# Altium PCB PMSM_Motor_Controller_v2_PCB.PcbDoc (part 2 of 3)
Units mm, origin at the board's own origin, x right, y up, seen from the top; angles counter-clockwise.
Board outline 70 x 110 mm, 4 copper layers (Top Layer, Int1 (GND), Int2 (PWR), Bottom Layer), stack 1.586 mm thick; 291 components, 217 nets, 968 pads, 697 vias.
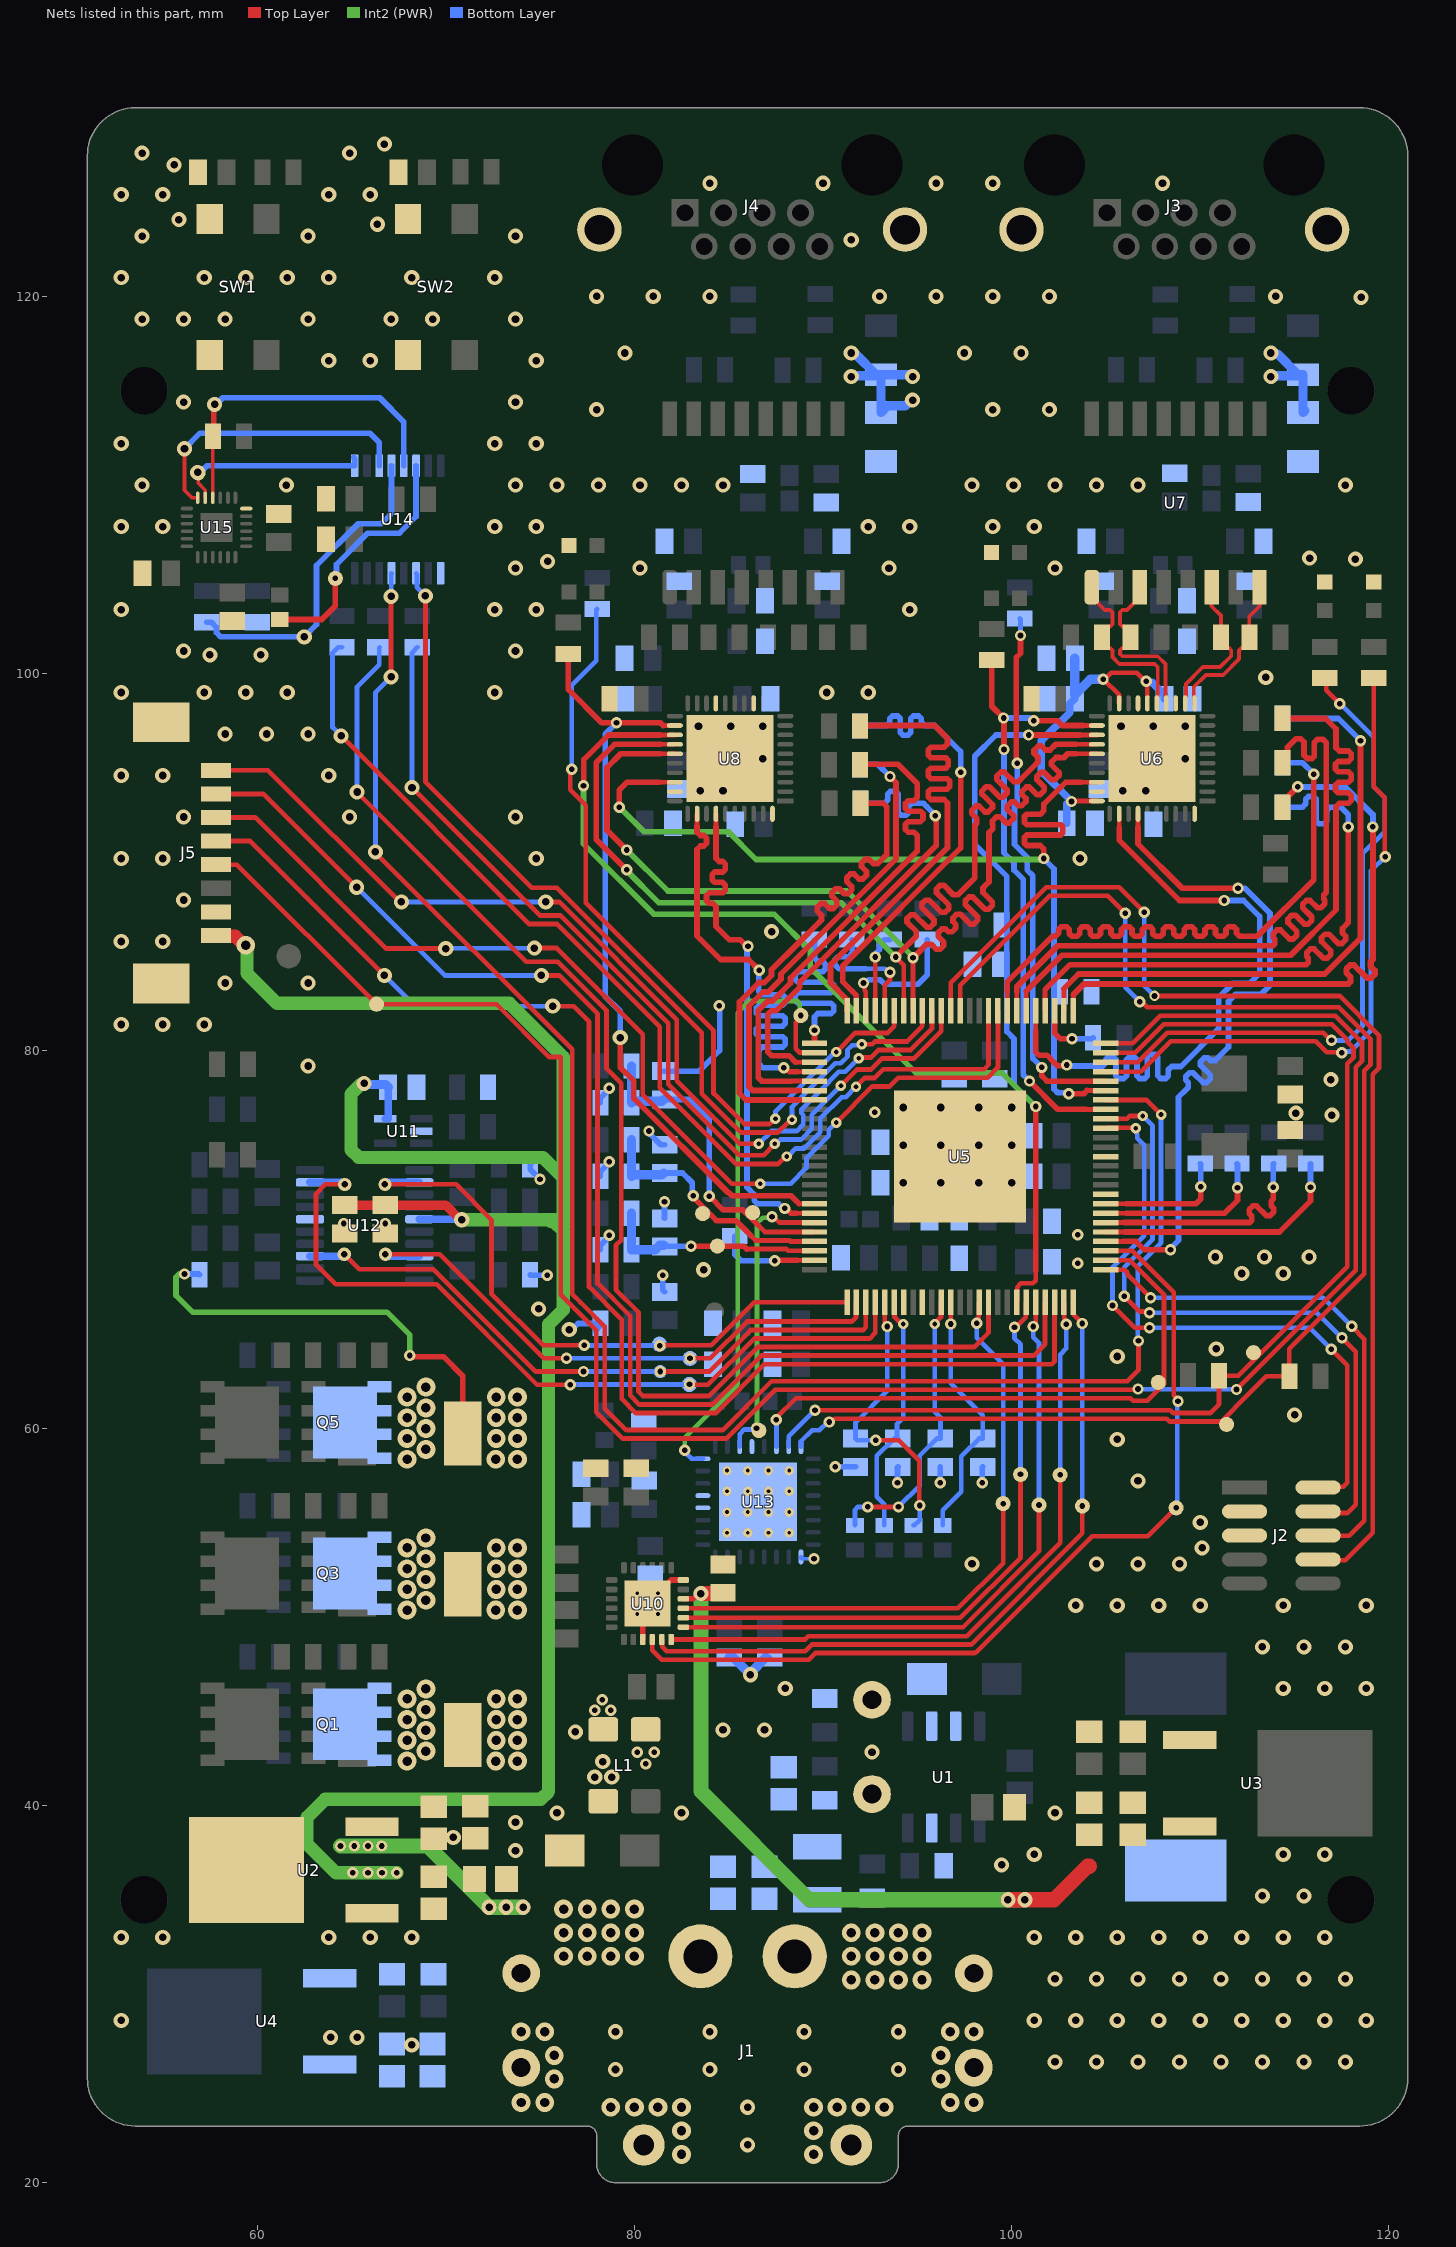
[diagram p4: the nets of this part, all layers, seen from the top]

## Via types
v1: diameter 0.8, hole 0.4, Top Layer to Bottom Layer, tented both sides, 322 vias
v2: diameter 0.6, hole 0.3, Top Layer to Bottom Layer, tented both sides, 210 vias
v3: diameter 1, hole 0.5, Top Layer to Bottom Layer, tented both sides, 108 vias
v4: diameter 0.55, hole 0.25, Top Layer to Bottom Layer, tented both sides, 23 vias
v5: diameter 0.5, hole 0.2, Top Layer to Bottom Layer, 20 vias
v6: diameter 0.7, hole 0.35, Top Layer to Bottom Layer, tented both sides, 10 vias
v7: diameter 3, hole 1.5, Top Layer to Bottom Layer, 3 vias
v8: diameter 0.55, hole 0.3, Top Layer to Bottom Layer, tented both sides, 1 vias

## Nets (pads, with @x,y where several pads share a name; then routed paths per layer and width w, separated by ;. In a path a pad name is that pad's centre, name@x,y a point inside that pad or via, vN(x,y) a via of type N, cw(c..) or ccw(c..) an arc to the next point about the centre after c; other vN are vias at no path point) (continued)
5V: C12.2 C13.2 C79.2 C80.2 C81.2 J5.8 U2.2 U11.5 U12.5 | length 115.4
  Top Layer w0.5: C80.2@64.65,71.825 C81.2@66.8,71.825 69.999,71.825 70.774,71.05 v1(70.85,71.05)
  Top Layer w0.7: J5.8@57.825,86.125 57.875,86.075 58.844,86.075 59.319,85.6 v3(59.4,85.6)
  Int2 (PWR) w0.7: v3(59.4,85.6) 59.457,85.543 59.457,84.118 61.05,82.525 73.375,82.525 76.225,79.675 76.225,73.275 ; v1(65.675,78.275) 65.648,78.275 65.623,78.25 65.525,78.25 64.975,77.7 64.975,74.76 65.385,74.35 75.15,74.35 76.225,73.275 ; v2(67.4,36.425) v2(66.625,36.425) 64.175,36.425 62.65,37.95 62.65,39.375 63.6,40.325 75.04,40.325 75.45,40.735 75.45,65.506 76.225,66.282 76.225,70.452 75.727,70.95 75.55,70.95 75.45,71.05 ; v1(70.85,71.05) 75.45,71.05 ; 75.45,71.05 75.815,71.05 76.225,70.64 76.225,73.275
  Bottom Layer w0.4: U11.5@66.8,76.4 66.95,76.4 C79.2@66.95,78.075 ; U12.5@68.6,71.075 v1@70.825,71.075
  Bottom Layer w0.5: v1(65.675,78.275) 65.732,78.218 66.807,78.218 C79.2@66.95,78.075
  other v2: 65.075,36.425 65.875,36.425
10V: C7.2 C8.2 C9.2 C10.2 C11.2 C14.2 C15.2 C18.2 C19.2 C71.1 L2.2 R3.2 U2.3 U3.3 U4.3 U10.4 | length 48.2
  Top Layer w0.3: U10.4@82.6,50.95 83.115,50.95 83.39,51.225 v1(83.525,51.225)
  Top Layer w0.8: v1(83.525,51.225) 84.425,51.225 84.5,51.3 C71.1@84.55,51.25 ; v1(99.8,35) v1(100.7,35) 102.25,35 104.025,36.775 104.125,36.775
  Int2 (PWR) w0.8: v2(64.425,37.85) v2(65.15,37.85) v2(65.875,37.85) v2(66.6,37.85) 69.05,37.85 v1(72.3,34.6) v1(73.2,34.6) v1(74.1,34.6) ; v1(83.525,51.225) 83.525,40.75 89.275,35 v1(99.8,35) v1(100.7,35)
+48V: C3.2 C4.2 L1.2 R1.2 U1.7
  other v2: 80.6,42.2 80.15,42.825 81.05,42.825
+48V_CON: C1.2 C2.2 D1.1 J1.1 Q1.D Q3.D Q5.D
  other v3: 91.5,30.75 92.75,30.75 94,30.75 95.25,30.75 76.25,32 77.5,32 78.75,32 80,32 91.5,32 92.75,32 94,32 95.25,32 76.25,33.25 77.5,33.25 78.75,33.25 80,33.25 91.5,33.25 92.75,33.25 94,33.25 95.25,33.25 76.25,34.5 77.5,34.5 78.75,34.5 80,34.5 67.95,42.35 68.95,42.875 67.95,43.45 68.95,43.975 67.95,44.55 68.95,45.075 67.95,45.65 68.95,46.175 67.95,50.35 68.95,50.875 67.95,51.45 68.95,51.975 67.95,52.55 68.95,53.075 67.95,53.65 68.95,54.175 67.95,58.35 68.95,58.875 67.95,59.45 68.95,59.975 67.95,60.55 68.95,61.075 67.95,61.65 68.95,62.175
BEMF_A: C75.2 R69.1 R70.1 TP7.1 U5.23 | length 13.2
  Top Layer w0.25: 85.95,69.5 88.046,69.5 88.146,69.4 U5.23@89.55,69.4
  Top Layer w0.3: v2(83,69.65) TP7.1@84.4,69.65 ; 85.95,69.5 85.8,69.65 ; TP7.1@84.4,69.65 85.8,69.65 ; TP7.1@84.4,69.65 85.8,69.65
  Bottom Layer w0.3: C75.2@81.6,69.625 81.625,69.65 v2(83,69.65)
  Bottom Layer w0.5: R69.1@79.85,71.4 R70.1@79.85,69.45 81.1,69.45 81.35,69.7 C75.2@81.55,69.7
BEMF_B: C76.2 R71.1 R72.1 TP8.1 U5.22 | length 13.6
  Top Layer w0.25: 86.175,70.2 86.425,69.95 88.232,69.95 88.282,69.9 U5.22@89.55,69.9
  Top Layer w0.3: v2@83.075,72.325 83.075,72.281 84.356,71 85.375,71 86.175,70.2
  Bottom Layer w0.3: C76.2@81.6,73.525 82.55,73.525 83.068,73.007 83.068,72.382 v2(83.125,72.325)
  Bottom Layer w0.5: R71.1@79.85,75.3 R72.1@79.85,73.35 79.937,73.438 81.462,73.438 C76.2@81.55,73.525
BEMF_C: C77.2 R73.1 R74.1 TP9.1 U5.21 | length 17
  Top Layer w0.25: 86.6,70.725 86.925,70.4 U5.21@89.55,70.4
  Top Layer w0.3: v2(83.975,72.3) 84.7,71.575 85.75,71.575 86.175,71.15 86.6,70.725
  Bottom Layer w0.3: C77.2@81.55,77.425 82.925,77.425 83.975,76.375 v2(83.975,72.3)
  Bottom Layer w0.5: R73.1@79.85,79.2 R74.1@79.85,77.25 79.937,77.338 81.462,77.338 C77.2@81.55,77.425
CURR_SENSE_OUT1: TP11.1 U5.26 U12.2 | length 33.2
  Top Layer w0.25: v6(66.775,72.925) 70.55,72.925 72.425,71.05 72.425,67.136 75.161,64.4 v2(77.35,64.4) ; v2(81.35,64.375) 81.375,64.4 84.075,64.4 86.35,66.675 U5.26@91.262,66.675
  Bottom Layer w0.25: v2@77.417,64.467 v2(77.35,64.4) 77.362,64.388 81.337,64.388 v2(81.35,64.375)
  Bottom Layer w0.4: v6(66.775,72.925) 66.856,72.925 66.956,73.025 U12.2@68.6,73.025
CURR_SENSE_OUT2: TP12.1 U5.27 U12.8 | length 30.8
  Top Layer w0.25: v6(66.8,69.225) 69.675,69.225 75.2,63.7 v2(76.4,63.7) ; v2(82.95,63.7) 84.025,63.7 85.975,65.65 91.53,65.65 91.755,65.875 91.755,66.655 U5.27@91.775,66.675
  Bottom Layer w0.25: v2(76.4,63.7) v2(82.95,63.7)
  Bottom Layer w0.4: v6(66.8,69.225) 66.881,69.225 66.981,69.125 U12.8@68.6,69.125
CURR_SENSE_OUT3: TP13.1 U5.28 U12.13 | length 34.4
  Top Layer w0.25: v6(64.625,69.225) 65.425,68.425 69.35,68.425 74.775,63 v2(77.3,63) ; v2(81.375,63) 83.961,63 86.161,65.2 92.129,65.2 92.275,65.346 U5.28@92.275,66.675
  Bottom Layer w0.25: v2(77.3,63) v2(81.375,63)
  Bottom Layer w0.4: U12.13@62.8,69.125 64.444,69.125 64.544,69.225 v6(64.625,69.225)
CURR_SENSE_OUT4: TP14.1 U5.29 U12.19 | length 42.6
  Top Layer w0.25: v6(64.65,72.925) 63.625,72.925 63.125,72.425 63.125,68.675 64.175,67.625 69.514,67.625 74.839,62.3 v2@76.797,62.3 ; v2(82.925,62.325) 82.95,62.3 83.9,62.3 86.35,64.75 92.479,64.75 92.775,65.046 U5.29@92.775,66.675
  Bottom Layer w0.25: v2(76.6,62.3) 76.613,62.313 TP14.1@82.913,62.313 v2(82.925,62.325)
  Bottom Layer w0.4: U12.19@62.8,73.025 64.469,73.025 64.569,72.925 v6(64.65,72.925)
ECAT_IN_LINK: R35.1 U5.68 U6.22 | length 32.9
  Top Layer w0.25: 103.775,97.25 U6.22@104.522,97.25
  Top Layer w0.258: 103.925,76.9 U5.68@105,76.9
  Top Layer w0.3: R35.1@98.95,100.725 98.95,98.275 99.6,97.625 v2(99.6,95.975) ; v2(100.95,78.4) 102.45,76.9 103.925,76.9 ; v2(101.178,97.5) 102.425,97.5 102.675,97.25 103.775,97.25
  Bottom Layer w0.3: v2(99.575,97.65) 100.947,97.65 101.097,97.5 v2(101.178,97.5) ; v2(99.6,95.975) 99.6,90.5 100.125,89.975 100.125,89.582 100.625,89.082 100.625,78.726 v2(100.95,78.4)
ECAT_IN_LINK_ACT: R36.1 U5.71 | length 28.6
  Top Layer w0.3: v2(100.3,95.25) 100.25,95.3 100.25,100.85 100.475,101.075 v2(100.475,102.025) ; v2(101.6,79.125) 101.602,79.123 101.602,78.673 101.875,78.4 U5.71@105,78.4
  Bottom Layer w0.25: R36.1@100.425,102.925 100.475,102.875 v2(100.475,102.025)
  Bottom Layer w0.3: v2(100.3,95.25) 100.3,93.178 100.15,93.028 100.15,90.95 100.825,90.275 100.825,89.589 101.125,89.289 101.125,79.6 v2(101.6,79.125)
ECAT_IN_RX_CLK: R21.1 U5.78 | length 3.4
  Top Layer w0.25: U5.78@102.275,81.575 U5.78@102.275,82.125
  Top Layer w0.3: U5.78@102.275,81.575 102.28,81.57 102.28,80.945 102.575,80.65 v2(103.2,80.65)
  Bottom Layer w0.3: v2(103.2,80.65) 104.275,80.65 R21.1@104.325,80.7
ECAT_IN_RX_DV: U5.80 U6.32 | length 36.8
  Top Layer w0.25: 101.275,81.075 U5.80@101.275,82.125 ; 105.7,91.825 U6.32@105.7,92.572
  Top Layer w0.3: 101.275,81.075 101.275,79.951 101.451,79.775 101.869,79.775 102.25,79.394 102.25,79.387 102.426,79.211 102.886,79.211 v2(102.925,79.25) ; 105.7,91.825 105.7,91.175 108.9,87.975 v2(111.275,87.975)
  Bottom Layer w0.3: v2@103,79.2 104.783,79.2 104.808,79.175 104.984,79.351 104.984,79.537 105.122,79.675 105.399,79.675 105.538,79.537 105.538,78.678 105.676,78.54 105.953,78.54 106.092,78.678 106.092,79.537 106.23,79.675 106.507,79.675 106.646,79.537 106.646,78.678 106.784,78.54 107.061,78.54 107.2,78.678 107.2,79.672 107.338,79.81 107.615,79.81 107.754,79.672 107.754,78.678 107.892,78.54 108.169,78.54 108.308,78.678 108.308,78.999 108.483,79.175 108.827,79.175 108.975,79.175 110.975,81.175 110.975,82.825 111.725,83.575 112.625,83.575 113.15,84.1 113.15,87.125 112.3,87.975 v2(111.275,87.975)
ECAT_IN_RX_ER: U5.54 U6.34 | length 36.9
  Top Layer w0.25: U5.54@105,69.9 105.925,69.9 ; 106.7,91.85 U6.34@106.7,92.572
  Top Layer w0.3: 105.925,69.9 106.6,69.9 107.05,69.45 v2(108.425,69.45) ; 106.7,91.85 106.7,90.975 109.05,88.625 v2(112,88.625)
  Bottom Layer w0.3: v2(108.425,69.45) 108.425,69.531 108.85,69.956 108.85,77.55 109.262,77.962 109.369,78.069 109.369,78.317 109.232,78.454 109.232,78.65 109.427,78.846 109.623,78.846 110.146,78.323 110.342,78.323 110.538,78.519 110.538,78.715 110.015,79.238 110.015,79.433 110.211,79.629 110.407,79.629 110.544,79.492 110.792,79.492 110.969,79.669 111.5,80.2 111.5,82.625 111.875,83 113.225,83 113.7,83.475 113.7,87.3 112.375,88.625 v2(112,88.625)
ECAT_IN_RXD0: R25.1 U5.58 | length 7
  Top Layer w0.25: U5.58@105,71.9 106.075,71.9
  Top Layer w0.3: 106.075,71.9 109.775,71.9 110.025,72.15 v2(110.025,72.8)
  Bottom Layer w0.3: R25.1@110,74.025 110.025,74 v2(110.025,72.8)
ECAT_IN_RXD1: R24.1 U5.57 | length 9.2
  Top Layer w0.25: U5.57@105,71.4 106.075,71.4
  Top Layer w0.3: 106.075,71.4 111.3,71.4 111.975,72.075 v2(111.975,72.75)
  Bottom Layer w0.3: R24.1@111.95,74.025 111.975,74 v2(111.975,72.75)
ECAT_IN_RXD2: R23.1 U5.56 | length 12.8
  Top Layer w0.25: U5.56@105,70.9 105.975,70.9
  Top Layer w0.3: 105.975,70.9 112.625,70.9 112.731,71.006 112.731,71.255 112.594,71.392 112.594,71.587 112.79,71.783 112.986,71.783 113.508,71.261 113.704,71.261 113.9,71.457 113.9,71.653 113.763,71.79 113.763,72.038 113.875,72.15 113.875,72.306 v2(113.875,72.775)
  Bottom Layer w0.3: v2(113.875,72.775) 113.875,74 R23.1@113.9,74.025
ECAT_IN_RXD3: R22.1 U5.55 | length 13.5
  Top Layer w0.25: U5.55@105,70.4 106,70.4
  Top Layer w0.3: 106,70.4 114.2,70.4 115.85,72.05 v2(115.85,72.775)
  Bottom Layer w0.3: v2(115.85,72.775) R22.1@115.85,74.025
ECAT_IN_TX_CLK: R15.1 U5.79 | length 33.5
  Top Layer w0.25: U5.79@101.775,82.125 101.775,83.25
  Top Layer w0.3: 101.775,83.25 103.1,84.575 115.625,84.575 115.731,84.681 115.731,84.93 115.644,85.016 115.644,85.212 115.84,85.408 116.036,85.408 116.533,84.911 116.729,84.911 116.925,85.107 116.925,85.303 116.428,85.8 116.428,85.996 116.624,86.192 116.82,86.192 117.317,85.695 117.512,85.695 117.708,85.89 117.708,86.086 117.547,86.248 117.547,86.497 117.85,86.8 117.85,87.563 v2(117.85,91.875)
  Bottom Layer w0.3: R15.1@114.35,92.925 115.272,92.925 115.422,92.925 115.598,93.101 115.598,93.352 115.736,93.49 116.013,93.49 116.152,93.352 116.152,92.174 116.29,92.036 116.567,92.036 116.706,92.174 116.706,92.749 116.881,92.925 117.45,92.925 117.85,92.525 v2(117.85,91.875)
ECAT_IN_TX_EN: R16.1 U5.76 | length 33.2
  Top Layer w0.25: U5.76@103.275,82.125 103.275,82.975
  Top Layer w0.32: 103.275,82.975 103.85,83.55 117.85,83.55 117.963,83.663 117.963,83.928 117.748,84.143 117.748,84.346 117.951,84.549 118.154,84.549 118.849,83.854 119.052,83.854 119.255,84.057 119.255,84.26 119.04,84.475 119.04,84.74 119.15,84.85 119.15,85.4 v2(119.15,91.875) ; R16.1@114.35,92.925 114.35,93.175 v2(115.175,94)
  Bottom Layer w0.32: v2(115.175,94) 117.675,94 119.15,92.525 v2(119.15,91.875)
ECAT_IN_TXD0: R17.1 U5.83 | length 33.7
  Top Layer w0.25: U5.83@99.775,82.125 99.775,83.15
  Top Layer w0.3: 99.775,83.15 99.775,83.675 102.175,86.075 102.325,86.075 102.501,86.251 102.501,86.445 102.639,86.583 102.916,86.583 103.055,86.445 103.055,86.213 103.193,86.075 103.47,86.075 103.609,86.213 103.609,86.445 103.747,86.583 104.024,86.583 104.163,86.445 104.163,86.213 104.301,86.075 104.578,86.075 104.717,86.213 104.717,86.445 104.855,86.583 105.132,86.583 105.271,86.445 105.271,86.213 105.409,86.075 105.686,86.075 105.825,86.213 105.825,86.445 105.963,86.583 106.24,86.583 106.379,86.445 106.379,86.213 106.517,86.075 106.794,86.075 106.933,86.213 106.933,86.445 107.071,86.583 107.348,86.583 107.487,86.445 107.487,86.213 107.625,86.075 107.902,86.075 108.041,86.213 108.041,86.445 108.179,86.583 108.456,86.583 108.595,86.445 108.595,86.213 108.733,86.075 109.01,86.075 109.149,86.213 109.149,86.445 109.287,86.583 109.564,86.583 109.703,86.445 109.703,86.213 109.841,86.075 110.118,86.075 110.257,86.213 110.257,86.445 110.395,86.583 110.672,86.583 110.811,86.445 110.811,86.213 110.949,86.075 111.226,86.075 111.365,86.213 111.365,86.445 111.503,86.583 111.78,86.583 111.919,86.445 111.919,86.251 112.094,86.075 112.325,86.075 113.025,86.075 116.025,89.075 v2(116.025,94.675)
  Bottom Layer w0.3: R17.1@114.35,95.275 115.425,95.275 v2(116.025,94.675)
ECAT_IN_TXD1: R18.1 U5.82 | length 36.9
  Top Layer w0.25: U5.82@100.275,82.125 100.275,83.125
  Top Layer w0.3: 100.275,83.125 100.275,83.4 102.45,85.575 113.85,85.575 113.956,85.681 113.956,85.93 113.869,86.016 113.869,86.212 114.065,86.408 114.261,86.408 114.733,85.936 114.929,85.936 115.125,86.132 115.125,86.328 114.653,86.8 114.653,86.996 114.849,87.192 115.045,87.192 115.517,86.719 115.713,86.719 115.909,86.915 115.909,87.111 115.436,87.583 115.436,87.779 115.632,87.975 115.828,87.975 116.21,87.593 116.406,87.593 116.602,87.789 116.602,87.984 116.555,88.031 116.555,88.28 116.675,88.4 116.675,96.349 116.499,96.525 116.226,96.525 116.05,96.349 116.05,95.625 115.924,95.499 115.676,95.499 115.5,95.675 115.5,96.375 115.324,96.551 115.076,96.551 114.625,96.1 114.625,95.55 R18.1@114.35,95.275
ECAT_IN_TXD2: R19.1 U5.81 | length 35.8
  Top Layer w0.25: U5.81@100.775,82.125 100.775,83.175
  Top Layer w0.3: 100.775,83.175 102.675,85.075 114.8,85.075 117.2,87.475 117.2,92.25 117.2,92.954 117.376,93.13 117.862,93.13 118,93.268 118,93.545 117.862,93.684 117.313,93.684 117.175,93.822 117.175,94.099 117.313,94.238 117.862,94.238 118,94.376 118,94.653 117.862,94.792 117.313,94.792 117.175,94.93 117.175,95.207 117.313,95.346 117.862,95.346 118,95.484 118,95.761 117.862,95.9 117.376,95.9 117.2,96.075 117.2,96.475 117.2,97.075 116.65,97.625 R19.1@114.35,97.625
ECAT_IN_TXD3: R20.1 U5.77 | length 33.1
  Top Layer w0.25: U5.77@102.775,82.125 102.775,83.3
  Top Layer w0.3: 102.775,83.3 103.55,84.075 116.6,84.075 118.5,85.975 v2(118.5,96.45)
  Bottom Layer w0.3: R20.1@114.35,97.625 117.325,97.625 v2(118.5,96.45)
ECAT_LED_ERR: R11.1 U5.73 | length 35
  Top Layer w0.25: U5.73@105,79.4 106.698,79.4 108.263,80.965 116.528,80.965 116.936,80.557 v2(116.957,80.557) ; R11.1@116.6,99.775 116.679,99.696 116.679,99.121 v2(117.4,98.4)
  Bottom Layer w0.25: v2(116.957,80.557) 117.857,80.557 118.6,81.3 118.6,90.441 119.775,91.616 119.775,93.425 119.2,94 119.2,96.634 117.434,98.4 v2(117.4,98.4)
ECAT_LED_RUN: R12.1 U5.72 | length 34.7
  Top Layer w0.25: U5.72@105,78.9 106.834,78.9 108.449,80.515 116.115,80.515 116.7,79.93 117.47,79.93 v2(117.5,79.9) ; R12.1@119.2,99.775 119.2,94 119.775,93.425 119.775,90.335 v2(119.81,90.3)
  Bottom Layer w0.25: v2(117.5,79.9) 117.567,79.967 117.943,79.967 119.05,81.074 119.05,89.55 119.8,90.3 v2(119.81,90.3)
ECAT_OUT_LINK: R58.1 U5.18 U8.22 | length 41
  Top Layer w0.25: 81.525,97.25 U8.22@82.147,97.25 ; 88.736,71.9 U5.18@89.55,71.9
  Top Layer w0.3: R58.1@76.5,101.05 76.5,99.164 78.264,97.4 v2(79.05,97.4) 81.375,97.4 81.525,97.25 ; v1(79.25,80.7) 79.25,79.125 79.975,78.4 79.975,77.481 84.975,72.481 85.019,72.481 85.175,72.325 88.311,72.325 88.525,72.111 88.73,71.905 ; 88.731,71.905 88.736,71.9
  Bottom Layer w0.3: v2(79.05,97.4) 79.05,97.389 78.45,96.789 78.45,82.9 79.25,82.1 v1(79.25,80.7)
ECAT_OUT_LINK_ACT: R59.1 U5.95 | length 42.9
  Top Layer w0.25: v2(76.675,94.925) 76.608,94.858 76.608,94.058 76.604,94.054 76.604,93.846 77.425,93.025 77.425,87.85 84.2,81.075 84.2,77.746 85.549,76.397 85.821,76.125 87.182,76.125 87.454,76.397 v4(87.478,76.397) ; v4(90.7,79.941) 91.709,80.95 93.425,80.95 93.775,81.3 U5.95@93.775,82.125
  Bottom Layer w0.25: v2(76.675,94.925) 76.675,99.375 77.975,100.675 77.975,103.375 R59.1@78.025,103.425 ; v4(87.478,76.397) 87.486,76.405 87.486,76.808 90.619,79.941 v4(90.7,79.941)
ECAT_OUT_RX_CLK: R45.1 U5.1 | length 13.8
  Top Layer w0.3: U5.1@89.55,80.4 v2(89.55,81.1)
  Bottom Layer w0.3: v2(89.55,81.1) 89.55,81.804 89.726,81.98 90.427,81.98 90.566,82.118 90.566,82.395 90.427,82.534 88.672,82.534 88.534,82.672 88.534,82.949 88.672,83.088 90.427,83.088 90.566,83.226 90.566,83.503 90.427,83.642 88.672,83.642 88.534,83.78 88.534,84.057 88.672,84.196 89.986,84.196 90.124,84.334 90.124,84.611 89.986,84.75 89.726,84.75 89.55,84.925 89.55,85.191 89.55,85.85 R45.1@89.6,85.9
ECAT_OUT_RX_DV: U5.4 U8.32 | length 27.1
  Top Layer w0.25: 83.325,91.917 U8.32@83.325,92.572 ; 88.675,78.9 U5.4@89.55,78.9
  Top Layer w0.3: 83.325,91.917 83.325,91.825 83.325,91.592 83.501,91.417 83.687,91.417 83.825,91.278 83.825,91.001 83.687,90.863 83.501,90.863 83.325,90.687 83.325,88.875 83.325,86.1 84.575,84.85 86.05,84.85 v2(86.625,84.275) ; v2(87.925,79.1) 88.006,79.1 88.206,78.9 88.675,78.9
  Bottom Layer w0.3: v2(86.625,84.275) 86.6,84.25 86.6,83.15 86.776,82.975 87.859,82.975 87.997,82.836 87.997,82.559 87.859,82.421 86.613,82.421 86.475,82.282 86.475,82.005 86.613,81.867 87.859,81.867 87.997,81.728 87.997,81.451 87.859,81.313 86.613,81.313 86.475,81.174 86.475,80.897 86.613,80.759 87.859,80.759 87.997,80.62 87.997,80.343 87.859,80.205 86.776,80.205 86.6,80.029 86.6,79.325 86.825,79.1 v2(87.925,79.1)
ECAT_OUT_RX_ER: U5.19 U8.34 | length 27.8
  Top Layer w0.25: 84.325,91.875 U8.34@84.325,92.572 ; 88.575,71.4 U5.19@89.55,71.4
  Top Layer w0.3: 84.325,91.875 84.325,91.449 84.325,90.217 84.501,90.042 84.687,90.042 84.825,89.903 84.825,89.626 84.687,89.488 84.265,89.488 84.127,89.349 84.127,89.072 84.265,88.934 84.687,88.934 84.825,88.795 84.825,88.518 84.687,88.38 83.963,88.38 83.825,88.241 83.825,87.964 83.963,87.826 84.149,87.826 84.325,87.65 84.325,87.5 84.325,86.6 85.025,85.9 85.594,85.9 85.944,85.55 v2(86.025,85.55) v2@86.025,85.588 ; v2(87.975,71.65) 88.056,71.65 88.306,71.4 88.575,71.4
  Bottom Layer w0.3: v2(86.025,85.55) 85.975,85.5 85.975,72.77 86.35,72.395 86.35,72.076 86.526,71.9 87.649,71.9 87.899,71.65 v2(87.975,71.65)
ECAT_OUT_RXD0: R49.1 U5.24 | length 5.3
  Top Layer w0.25: 88.65,68.9 U5.24@89.55,68.9
  Top Layer w0.3: v2(87.45,68.875) 87.475,68.9 88.65,68.9
  Bottom Layer w0.3: R49.1@85.325,70.175 85.325,69.2 85.65,68.875 v2(87.45,68.875)
ECAT_OUT_RXD1: R48.1 U5.96 | length 7.3
  Top Layer w0.25: U5.96@93.275,82.125 93.275,83.475 93.55,83.75 v2(93.55,84.175)
  Bottom Layer w0.25: 92.275,84.35 93.28,84.35 93.455,84.175 v2(93.55,84.175)
  Bottom Layer w0.3: R48.1@91.525,85.9 91.55,85.875 91.55,85.176 91.374,85 90.8,85 90.624,84.824 90.624,84.576 90.85,84.35 92.275,84.35
ECAT_OUT_RXD2: R47.1 U5.97 | length 4.2
  Top Layer w0.25: U5.97@92.775,82.125 v2(92.775,84.975)
  Bottom Layer w0.3: v2(92.775,84.975) 92.832,85.032 92.832,85.207 93,85.375 93,85.625 93.275,85.9 R47.1@93.525,85.9
ECAT_OUT_RXD3: R46.1 U5.98 | length 7.2
  Top Layer w0.25: v2(92.15,83.6) 92.217,83.533 92.217,83.183 92.275,83.125 U5.98@92.275,82.125
  Bottom Layer w0.3: v2(92.15,83.6) 92.245,83.6 92.42,83.775 93.031,83.775 93.281,83.525 95.025,83.525 95.525,84.025 R46.1@95.525,85.9
ECAT_OUT_TX_CLK: R39.1 U5.3 | length 25.4
  Top Layer w0.25: 88.6,79.4 U5.3@89.55,79.4
  Top Layer w0.3: 88.6,79.4 88.544,79.4 88.194,79.75 87.275,79.75 87.075,79.95 87.075,81.949 87.251,82.125 87.516,82.125 88.775,83.384 88.775,83.649 96.007,90.882 96.007,92.418 v2(95.95,92.475)
  Bottom Layer w0.3: R39.1@92,93.125 93.258,93.125 93.434,93.301 93.434,93.621 93.572,93.76 93.849,93.76 93.988,93.621 93.988,92.628 94.126,92.49 94.403,92.49 94.542,92.628 94.542,92.949 94.717,93.125 95.137,93.125 95.327,93.125 95.522,92.93 95.95,92.502 v2(95.95,92.475)
ECAT_OUT_TX_EN: R40.1 U5.7 | length 28
  Top Layer w0.25: 88.625,77.4 U5.7@89.55,77.4
  Top Layer w0.3: 88.625,77.4 85.925,77.4 85.575,77.75 85.575,82.6 86.6,83.625 86.894,83.625 87.275,84.006 87.275,84.3 88.686,85.711 89.813,86.837 89.919,86.944 89.919,87.192 89.692,87.419 89.692,87.615 89.888,87.811 90.083,87.811 90.346,87.549 90.541,87.549 90.737,87.744 90.737,87.94 90.475,88.202 90.475,88.398 90.671,88.594 90.867,88.594 91.129,88.332 91.325,88.332 91.521,88.528 91.521,88.724 91.259,88.986 91.259,89.182 91.455,89.378 91.65,89.378 91.913,89.116 92.108,89.116 92.304,89.311 92.304,89.507 92.042,89.769 92.042,89.965 92.238,90.161 92.434,90.161 92.661,89.934 92.909,89.934 93.375,90.4 93.375,92.949 93.199,93.125 R40.1@92,93.125
ECAT_OUT_TXD0: R41.1 U5.6 | length 25.4
  Top Layer w0.25: 88.65,77.9 U5.6@89.55,77.9
  Top Layer w0.3: 88.65,77.9 86.275,77.9 86.075,78.1 86.075,82.375 86.825,83.125 87.101,83.125 87.775,83.799 87.775,84.075 93.875,90.175 93.875,94.224 v2(93.55,94.55)
  Bottom Layer w0.3: R41.1@91.975,95.175 92,95.2 92.9,95.2 v2(93.55,94.55)
ECAT_OUT_TXD1: R42.1 U5.5 | length 28.2